# KiCad board shek-rounded.kicad_pcb (continued)
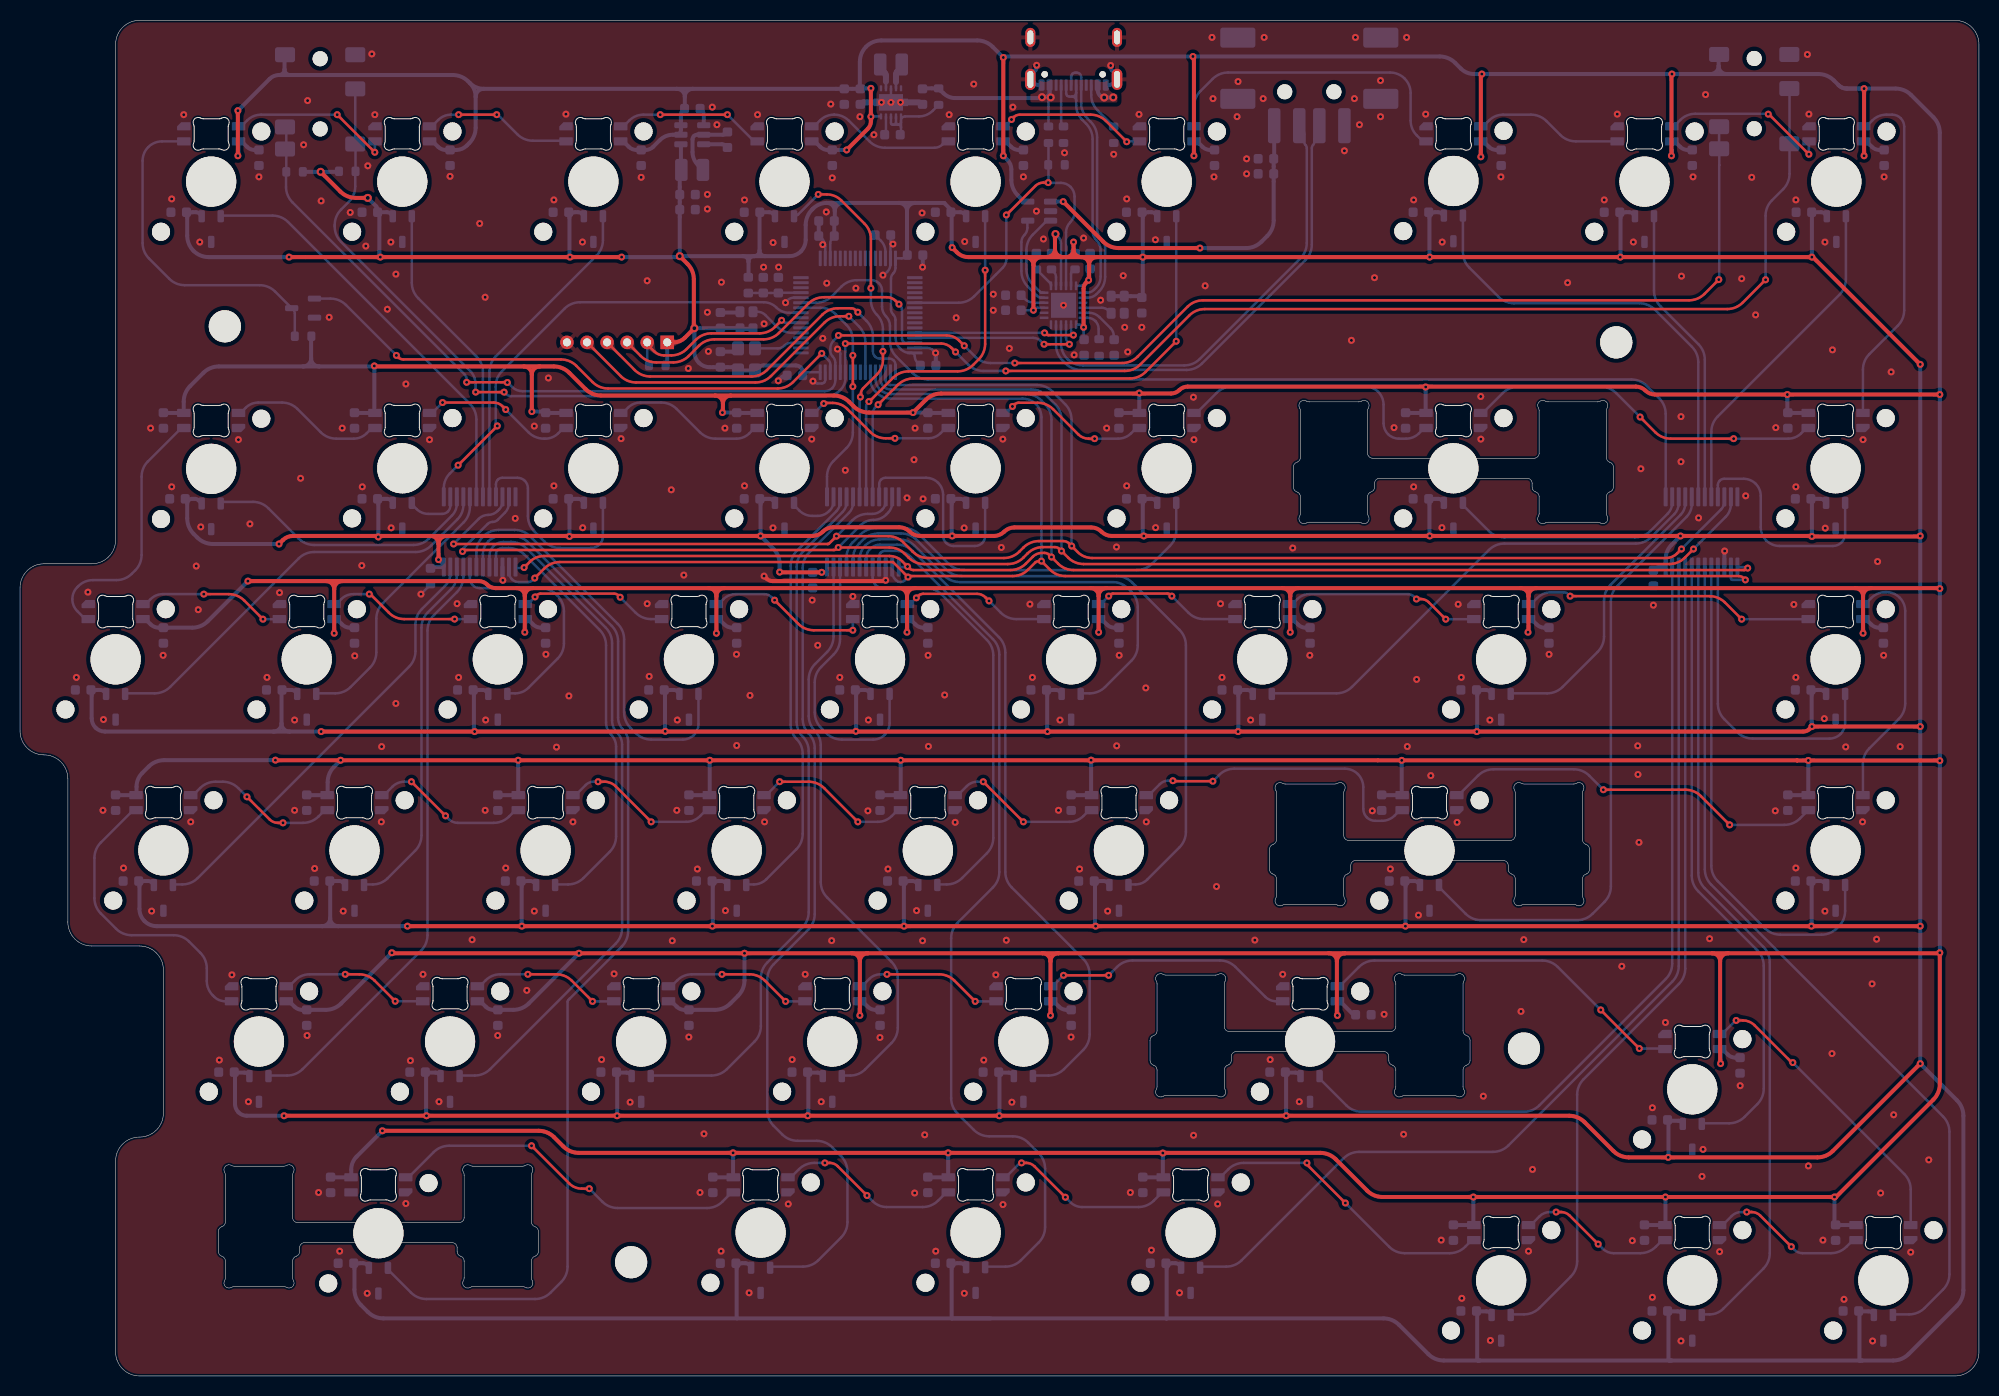
[diagram p0: board, top side]
## Routing (per net, layer and track width the routed paths; a pad name or vN(x,y) marks a point on that pad's centre or on a via; arc(x,y) is an arc through that point) (continued)
MUX2_A13: length 106.5
  Bottom w0.25: U8.18 46.14,81.9 arc(46.28,82.6) 46.67,83.2 arc(47.27,83.6) 47.97,83.74 49.11,83.74 arc(49.94,83.57) 50.65,83.1 58.97,74.78 arc(59.45,74.07) 59.61,73.24 59.61,65.64 arc(59.74,64.99) 60.11,64.44 arc(60.48,63.88) 60.61,63.23 60.61,44.34 arc(60.45,43.51) 59.97,42.8 54.78,37.61 54.64,37.47 arc(54.59,37.39) 54.58,37.3 54.58,10.9 arc(54.41,10.07) 53.94,9.36 52.88,8.31 arc(52.17,7.83) 51.34,7.67 40.51,7.67 arc(39.67,7.83) 38.97,8.31 36.77,10.5 arc(36.7,10.62) 36.67,10.75 36.67,10.9
MUX2_A14: length 70
  Bottom w0.25: 43.81,29.95 45.32,29.95 arc(46.15,30.11) 46.86,30.59 59.37,43.1 arc(59.85,43.81) 60.01,44.64 60.01,62.93 arc(59.88,63.58) 59.51,64.14 arc(59.14,64.69) 59.01,65.34 59.01,73.06 arc(58.85,73.89) 58.37,74.6 50.48,82.5 arc(49.77,82.97) 48.94,83.14 48.2,83.14 arc(47.66,83.03) 47.2,82.73 arc(46.89,82.27) 46.79,81.73 U8.17
MUX2_A15: length 44.7
  Bottom w0.25: 53.34,49 54.62,49 arc(55.45,49.16) 56.16,49.64 58.77,52.25 arc(59.25,52.96) 59.41,53.79 59.41,62.73 arc(59.28,63.38) 58.91,63.94 arc(58.54,64.49) 58.41,65.14 58.41,72.84 arc(58.25,73.67) 57.77,74.38 50.25,81.9 arc(49.54,82.37) 48.71,82.54 48.08,82.54 arc(47.83,82.49) 47.62,82.35 arc(47.49,82.14) 47.44,81.9 U8.16
MUX2_COM: length 47.7
  Top w0.25: v1(47.57,94.71) 47.57,94.7 arc(47.57,94.7) 47.57,94.69 v1(43.66,90.79)
  Bottom w0.25: U8.1 42.24,88.5 arc(42.4,89.3) 42.85,89.97 v1(43.66,90.79) ; v1(47.57,94.71) 47.49,94.79 arc(47.43,94.88) 47.41,94.98 47.41,98.64 arc(47.58,99.47) 48.05,100.18 54.27,106.4 arc(54.98,106.87) 55.81,107.04 74.12,107.04 arc(74.81,106.9) 75.39,106.51 arc(75.97,106.12) 76.65,105.99 U5.9
MUX_S0: length 179.9
  Top w0.25: v1(43.21,82.94) 80.56,82.94 arc(80.6,82.94) 80.63,82.97 v1(81.38,83.72) 86.53,83.72 arc(87.36,83.55) 88.07,83.08 88.97,82.18 arc(89.68,81.7) 90.51,81.54 98.07,81.54 arc(98.9,81.7) 99.61,82.18 100.02,82.59 arc(100.73,83.06) 101.56,83.23 103.98,83.23 arc(104.31,83.16) 104.58,82.98 v1(104.83,82.73) 105.42,82.14 arc(106.09,81.69) 106.87,81.54 164.08,81.54 arc(164.66,81.65) 165.16,81.99 v1(165.61,82.44)
  Bottom w0.25: U8.10 48.09,87.18 arc(48,86.75) 47.76,86.39 47.6,86.23 arc(47.17,85.94) 46.66,85.84 arc(46.15,85.74) 45.72,85.45 v1(43.21,82.94) ; v1(165.61,82.44) 169.56,86.39 arc(169.8,86.75) 169.89,87.18 U6.10 ; U7.10 86.29,87.18 arc(86.2,86.75) 85.96,86.39 85.9,86.33 arc(85.47,86.04) 84.96,85.94 84.5,85.94 arc(83.67,85.77) 82.96,85.3 81.47,83.8 arc(81.44,83.76) 81.43,83.72 81.43,83.7 arc(81.42,83.69) 81.41,83.69 v1(81.38,83.72) ; v1(104.83,82.73) 104.82,82.74 arc(104.81,82.75) 104.81,82.76 104.81,95.34 arc(104.65,96.17) 104.17,96.88 102.9,98.15 arc(102.19,98.62) 101.36,98.79 86.77,98.79 arc(86.58,98.83) 86.41,98.94 arc(86.3,99.1) 86.26,99.3 U5.51
MUX_S1: length 181.2
  Top w0.25: v1(44.1,82.19) 44.18,82.26 arc(44.26,82.32) 44.36,82.34 81.14,82.34 arc(81.3,82.37) 81.44,82.46 v1(81.56,82.59) 86.66,82.59 arc(87.49,82.42) 88.2,81.95 88.57,81.58 arc(89.28,81.1) 90.11,80.94 98.47,80.94 arc(99.3,81.1) 100.01,81.58 100.42,81.99 arc(101.13,82.46) 101.96,82.63 103.15,82.63 arc(103.4,82.58) 103.62,82.43 v1(103.81,82.24) 104.47,81.58 arc(105.18,81.1) 106.01,80.94 164.41,80.94 arc(165.24,81.1) 165.95,81.58 v1(166.81,82.44)
  Bottom w0.25: v1(81.56,82.59) 83.78,84.81 arc(84.37,85.2) 85.06,85.34 arc(85.76,85.48) 86.34,85.87 86.52,86.05 arc(86.83,86.51) 86.94,87.05 U7.11 ; U5.52 85.76,99.36 arc(85.84,98.97) 86.06,98.64 arc(86.39,98.42) 86.79,98.34 100.81,98.34 arc(101.64,98.17) 102.35,97.7 103.17,96.88 arc(103.65,96.17) 103.81,95.34 v1(103.81,82.24) ; v1(166.81,82.44) 170.02,85.64 arc(170.4,86.22) 170.54,86.9 U6.11 ; U8.11 48.74,87.05 arc(48.63,86.51) 48.32,86.05 47.62,85.35 arc(47.39,85.19) 47.11,85.14 arc(46.84,85.08) 46.6,84.93 44.19,82.51 arc(44.12,82.42) 44.1,82.31 v1(44.1,82.19)
MUX_S2: length 166.6
  Top w0.25: v1(51.3,79.54) 52.26,80.5 arc(52.97,80.97) 53.8,81.14 87.01,81.14 v1(88.51,79.64) 88.56,79.69 arc(88.62,79.72) 88.68,79.74 98.94,79.74 arc(99.77,79.9) 100.48,80.38 101.21,81.11 arc(101.33,81.19) 101.48,81.22 101.63,81.22 arc(101.63,81.22) 101.64,81.22 arc(101.64,81.23) 101.65,81.23 v1(101.81,81.23) 102.66,80.38 arc(103.37,79.9) 104.2,79.74 171.33,79.74 arc(171.58,79.69) 171.79,79.55 v1(171.98,79.36)
  Bottom w0.25: U7.14 86.94,80.12 arc(87.01,79.74) 87.23,79.43 87.34,79.31 arc(87.53,79.18) 87.76,79.14 arc(87.99,79.18) 88.19,79.31 v1(88.51,79.64) ; v1(51.3,79.54) 51.1,79.34 arc(50.88,79.19) 50.62,79.14 49.72,79.14 arc(49.34,79.21) 49.02,79.43 arc(48.81,79.74) 48.74,80.12 U8.14 ; U6.14 170.54,79.54 arc(170.55,79.47) 170.59,79.41 arc(170.65,79.37) 170.72,79.36 v1(171.98,79.36) ; U5.54 84.76,99.35 arc(84.89,98.69) 85.27,98.13 85.37,98.03 arc(86.04,97.58) 86.83,97.43 99.95,97.43 arc(100.66,97.29) 101.27,96.88 arc(101.67,96.28) 101.81,95.57 v1(101.81,81.23)
MUX_S3: length 161.5
  Top w0.25: v1(172.21,80.54) 172.11,80.44 arc(172,80.36) 171.87,80.34 105.01,80.34 arc(104.18,80.5) 103.47,80.98 v1(102.81,81.64) 102.61,81.84 arc(102.38,81.99) 102.11,82.05 101.87,82.05 arc(101.37,81.95) 100.95,81.67 100.26,80.98 arc(99.55,80.5) 98.72,80.34 89.06,80.34 arc(88.83,80.38) 88.64,80.51 v1(88.46,80.69) 87.94,81.21 arc(87.36,81.6) 86.67,81.74 52.21,81.74 arc(51.45,81.59) 50.82,81.16 v1(50.24,80.59)
  Bottom w0.25: v1(102.81,81.64) 102.81,95.34 arc(102.65,96.17) 102.17,96.88 101.8,97.25 arc(101.09,97.72) 100.26,97.89 86.8,97.89 arc(86.21,98) 85.71,98.34 arc(85.38,98.84) 85.26,99.42 U5.53 ; U6.13 172.04,80.64 arc(172.11,80.62) 172.16,80.59 v1(172.21,80.54) ; U7.13 88.38,80.64 arc(88.41,80.64) 88.44,80.66 v1(88.46,80.69) ; 49.39,81.09 49.39,80.7 arc(49.4,80.64) 49.43,80.59 arc(49.48,80.56) 49.54,80.55 50,80.55 arc(50.03,80.55) 50.05,80.57 arc(50.07,80.58) 50.1,80.59 v1(50.24,80.59)
NRST: length 19.2
  Top w0.25: 62.81,102.74 62.81,102.64 arc(62.83,102.55) 62.88,102.47 63.21,102.14 arc(63.66,101.84) 64.18,101.74 64.91,101.74 arc(65.74,101.9) 66.45,102.38 67.37,103.3 arc(68.08,103.77) 68.91,103.94 73.71,103.94 arc(74.54,104.1) 75.25,104.58 v1(75.91,105.24)
  Bottom w0.25: 62.89,100.74 62.7,100.93 arc(62.56,101.13) 62.51,101.38 J4.2 ; v1(75.91,105.24) 76.04,105.11 arc(76.18,105.02) 76.34,104.99 U5.7
OCS2: length 9.1
  Bottom w0.25: U1.12 101.92,107.99 arc(101.77,108.02) 101.65,108.1 100.95,108.8 arc(100.48,109.51) 100.31,110.34 100.31,112.24 arc(100.48,113.07) 100.95,113.78 102.21,115.03 arc(102.36,115.13) 102.53,115.17 U2.3
OSC32: length 4.7
  Bottom w0.25: U5.3 76.85,102.99 arc(76.49,102.92) 76.19,102.71 arc(75.88,102.51) 75.52,102.44 Y3.3
PH0: length 5.5
  Bottom w0.25: Y2.3 73.51,106.09 arc(73.93,106) 74.28,105.77 75.43,104.62 arc(76.13,104.15) 76.95,103.99 U5.5
SCL: length 183.2
  Top w0.25: v1(94.12,102.7) 93.61,103.21 arc(93.04,103.59) 92.36,103.73 v1(81.57,103.73) ; v1(99.15,100.98) 109.86,100.98 arc(110.69,101.14) 111.4,101.62 116.37,106.59 arc(117.08,107.06) 117.91,107.23 166.36,107.23 arc(167.19,107.39) 167.9,107.87 v1(169.33,109.3) ; v1(48.57,99.04) 48.56,99.05 arc(48.55,99.05) 48.54,99.06 44.65,99.06 arc(44.6,99.05) 44.55,99.02 44.54,99.01 arc(44.52,99) 44.51,99.02 v1(44.51,99.06)
  Bottom w0.25: v1(94.12,102.7) 95.2,101.62 arc(95.91,101.14) 96.74,100.98 v1(99.15,100.98) ; v1(48.57,99.04) 48.59,99.04 arc(48.6,99.03) 48.61,99.03 49.04,98.6 arc(49.52,98.28) 50.09,98.17 80.2,98.17 arc(80.61,98.25) 80.95,98.48 arc(81.18,98.82) 81.26,99.23 81.26,101.01 arc(81.2,101.34) 81.01,101.62 arc(80.83,101.89) 80.76,102.22 80.76,102.38 arc(80.86,102.85) 81.12,103.25 81.56,103.69 arc(81.57,103.7) 81.57,103.71 v1(81.57,103.73) ; v1(44.51,99.06) 44.51,99.35 arc(44.46,99.62) 44.31,99.84 27.15,117 arc(26.68,117.71) 26.51,118.54 26.51,119.99 arc(26.52,120.01) 26.52,120.03 arc(26.53,120.04) 26.54,120.06 26.54,122.1 arc(26.52,122.18) 26.47,122.25 arc(26.45,122.31) 26.47,122.38 arc(26.52,122.44) 26.54,122.53 26.54,124.3 arc(26.52,124.38) 26.47,124.45 J3.4 ; J5.5 J5.4 ; 169.38,122.91 169.38,120.71 arc(169.38,120.71) 169.38,120.7 arc(169.37,120.7) 169.37,120.69 169.37,109.37 arc(169.37,109.34) 169.35,109.32 v1(169.33,109.3)
SDA: length 194
  Top w0.25: v1(173.99,109.28) 171.71,107 arc(171,106.52) 170.17,106.36 118.09,106.36 arc(117.26,106.19) 116.55,105.72 111.66,100.83 arc(110.95,100.35) 110.12,100.19 v1(98.25,100.19) ; v1(93.25,102.08) 92.83,102.5 arc(92.37,102.81) 91.82,102.92 v1(82.26,102.92) ; v1(48.25,98.08) v1(45.41,98.08)
  Bottom w0.25: J3.3 33.41,122.83 arc(33.42,122.81) 33.42,122.8 arc(33.43,122.79) 33.44,122.77 33.44,120.11 arc(33.43,120.09) 33.42,120.08 arc(33.42,120.06) 33.41,120.04 33.41,118.59 arc(33.25,117.76) 32.77,117.05 32,116.28 arc(31.53,115.57) 31.36,114.74 31.36,114.59 arc(31.53,113.76) 32,113.05 44.86,100.19 arc(45.27,99.58) 45.41,98.86 v1(45.41,98.08) ; v1(93.25,102.08) 94.5,100.83 arc(95.21,100.35) 96.04,100.19 v1(98.25,100.19) ; J5.3 176.37,128.33 arc(176.38,128.32) 176.38,128.3 176.38,119.85 arc(176.22,119.02) 175.74,118.31 174.63,117.2 arc(174.16,116.49) 173.99,115.66 v1(173.99,109.28) ; v1(82.26,102.92) U5.59 ; v1(48.25,98.08) 48.45,97.88 arc(48.67,97.73) 48.94,97.68 80.37,97.68 arc(81.09,97.82) 81.71,98.23 81.81,98.34 arc(82.15,98.84) 82.26,99.43 82.26,100.06
SWCLK: length 37.3
  Top w0.25: v1(83.51,106.04) 83.31,106.24 arc(83.09,106.39) 82.83,106.44 81.51,106.44 arc(80.68,106.27) 79.97,105.8 74.45,100.28 arc(73.74,99.8) 72.91,99.64 62.81,99.64 arc(61.98,99.8) 61.27,100.28 J4.4
  Bottom w0.25: v1(83.51,106.04) 84.37,105.18 arc(84.85,104.47) 85.01,103.64 85.01,102.13 arc(85.07,101.86) 85.22,101.63 arc(85.45,101.47) 85.73,101.42 86.63,101.42 arc(86.87,101.37) 87.08,101.24 arc(87.21,101.03) 87.26,100.79 U5.49
SWDIO: length 35.4
  Top w0.25: J4.3 61.87,101.68 arc(62.58,101.2) 63.41,101.04 65.11,101.04 arc(65.94,101.2) 66.65,101.68 67.67,102.7 arc(68.38,103.17) 69.21,103.34 74.11,103.34 arc(74.94,103.5) 75.65,103.98 78.57,106.9 arc(79.28,107.37) 80.11,107.54 86.42,107.54 arc(86.87,107.45) 87.26,107.19 v1(87.61,106.84)
  Bottom w0.25: v1(87.61,106.84) 87.76,106.69 arc(87.87,106.52) 87.91,106.33 87.91,103.41 arc(87.94,103.25) 88.04,103.11 arc(88.18,103.02) 88.34,102.99 U5.46
SWO: length 36.4
  Top w0.25: J4.5 59.87,99.68 arc(60.58,99.2) 61.41,99.04 73.31,99.04 arc(74.14,99.2) 74.85,99.68 80.18,105 arc(80.88,105.47) 81.71,105.64 v1(82.61,105.64)
  Bottom w0.25: v1(82.61,105.64) 83.62,104.63 arc(84.1,103.92) 84.26,103.09 U5.55
UP_D+: length 26.3
  Bottom w0.25: J1.A6 104.78,129.52 arc(104.81,129.68) 104.89,129.81 arc(105.03,129.89) 105.18,129.93 105.33,129.93 arc(105.5,129.89) 105.64,129.79 arc(105.74,129.65) 105.78,129.48 105.78,128.73 arc(105.78,128.71) 105.79,128.7 105.8,128.69 ; U1.20 106.44,107.49 arc(106.9,107.58) 107.29,107.84 107.55,108.1 arc(108,108.78) 108.16,109.58 108.16,112.42 arc(108.06,112.94) 107.76,113.39 arc(107.47,113.83) 107.36,114.35 107.36,123.49 arc(107.2,124.32) 106.72,125.03 106.41,125.34 arc(105.94,126.04) 105.78,126.88 105.78,128.6
UP_D-: length 25.4
  Bottom w0.25: J1.B7 104.28,127.86 arc(104.3,127.73) 104.37,127.63 arc(104.47,127.56) 104.59,127.54 104.87,127.54 ; 104.87,127.54 arc(105.16,127.42) 105.28,127.13 ; 104.87,127.54 arc(105.16,127.66) 105.28,127.94 ; U1.19 106.36,107.99 arc(106.73,108.06) 107.05,108.27 107.24,108.46 arc(107.59,108.99) 107.71,109.61 107.71,112.22 arc(107.61,112.74) 107.31,113.19 arc(107.02,113.63) 106.91,114.15 106.91,123.29 arc(106.75,124.12) 106.27,124.83 105.88,125.22 arc(105.43,125.89) 105.28,126.68 105.28,127.13 ; 105.28,127.94 105.28,127.13 ; 105.28,127.94 J1.A7
XTALIN: length 3
  Bottom w0.25: Y1.3 108.49,106.21 arc(108.18,106.42) 107.82,106.49 U1.22
Net-(J1-CC1_A): length 4.5
  Bottom w0.25: J1.A5 103.78,124.97 arc(103.81,124.81) 103.89,124.68 R3.1 ; 104.26,124.81 104.24,124.79 arc(104.21,124.77) 104.18,124.76 104.01,124.76
Net-(J1-CC1_B): length 5
  Bottom w0.25: R4.1 107.41,126.16 arc(106.94,126.87) 106.78,127.7 J1.B5
Net-(LED1-DOUT): length 16.6
  Top w0.25: v1(35.36,121.99) v1(31.61,125.74)
  Bottom w0.25: v1(35.36,121.99) 35.37,121.99 arc(35.37,122) 35.38,122.01 LED2.3 ; v1(31.61,125.74) 24.03,125.74 arc(23.28,125.59) 22.63,125.16 22.15,124.67 arc(22.04,124.6) 21.91,124.58 LED1.2
Net-(LED2-DOUT): length 15
  Top w0.25: v1(43.71,125.74) v1(47.51,125.74)
  Bottom w0.25: LED3.3 54.39,123.11 arc(54.36,123.13) 54.32,123.14 51.11,123.14 arc(50.28,123.3) 49.57,123.78 47.65,125.7 arc(47.61,125.73) 47.56,125.74 v1(47.51,125.74) ; LED2.2 40.94,124.58 arc(41.04,124.6) 41.13,124.65 41.68,125.21 arc(42.27,125.6) 42.96,125.74 v1(43.71,125.74)
Net-(LED3-DOUT): length 15.1
  Top w0.25: v1(63.81,125.74) v1(70.51,125.74)
  Bottom w0.25: v1(70.51,125.74) 73.07,123.18 arc(73.19,123.1) 73.33,123.08 LED4.3 ; LED3.2 60.01,124.58 arc(60.14,124.6) 60.25,124.67 60.73,125.16 arc(61.38,125.59) 62.13,125.74 v1(63.81,125.74)
Net-(LED4-DOUT): length 15.4
  Bottom w0.25: LED5.3 92.39,123.08 arc(92.26,123.05) 92.15,122.98 91.93,122.76 arc(91.58,122.52) 91.16,122.44 86.21,122.44 arc(85.38,122.6) 84.67,123.08 82.61,125.14 arc(81.95,125.58) 81.16,125.74 81.13,125.74 arc(80.38,125.59) 79.73,125.16 79.23,124.65 arc(79.14,124.6) 79.04,124.58 LED4.2
Net-(LED5-DOUT): length 15.1
  Top w0.25: v1(98.83,125.25) 99.07,125.5 arc(99.34,125.67) 99.66,125.74 106.71,125.74 arc(107.54,125.57) 108.25,125.1 v1(110.31,123.04)
  Bottom w0.25: LED5.2 98.06,124.58 arc(98.14,124.59) 98.21,124.64 v1(98.83,125.25) ; LED6.3 110.38,123.08 arc(110.35,123.07) 110.33,123.06 v1(110.31,123.04)
Net-(LED6-DOUT): length 32
  Bottom w0.25: LED7.3 139.99,123.08 arc(139.84,123.1) 139.71,123.19 139.22,123.68 arc(138.77,124.35) 138.61,125.14 138.61,127.89 arc(138.46,128.67) 138.01,129.34 arc(137.35,129.78) 136.56,129.94 120.41,129.94 arc(119.58,129.77) 118.87,129.3 117.66,128.09 arc(117.19,127.38) 117.02,126.55 LED6.2
Net-(LED7-DOUT): length 14.9
  Bottom w0.25: LED8.3 155.08,123.08 arc(154.24,123.24) 153.54,123.71 152.15,125.1 arc(151.44,125.57) 150.61,125.74 147.83,125.74 arc(147.08,125.59) 146.43,125.16 145.94,124.66 arc(145.84,124.6) 145.73,124.58 LED7.2
Net-(LED8-DOUT): length 17
  Top w0.25: v1(174.26,125.79) 174.29,125.79 arc(174.31,125.78) 174.33,125.77 v1(178.31,121.79)
  Bottom w0.25: LED8.2 164.75,124.58 arc(164.85,124.59) 164.93,124.65 165.49,125.2 arc(166.18,125.66) 167,125.83 174.19,125.83 arc(174.22,125.82) 174.24,125.81 v1(174.26,125.79) ; LED9.3 178.32,123.07 arc(178.31,123.06) 178.31,123.05 v1(178.31,121.79)
Net-(LED10-DIN): length 35.2
  Bottom w0.25: LED10.3 183.7,100.32 arc(183.87,101.16) 184.34,101.86 187.17,104.7 arc(187.65,105.41) 187.81,106.24 187.81,124.54 arc(187.72,125) 187.46,125.39 arc(187.07,125.65) 186.62,125.74 186.03,125.74 arc(185.28,125.59) 184.63,125.16 184.15,124.67 arc(184.04,124.6) 183.91,124.58 LED9.2
Net-(LED10-DOUT): length 35.9
  Top w0.25: v1(170.81,93.44) 164.54,93.44 arc(163.71,93.6) 163,94.08 v1(161.48,95.6)
  Bottom w0.25: v1(170.81,93.44) 176.26,93.44 arc(176.96,93.58) 177.54,93.97 178.01,94.44 arc(178.08,94.48) 178.16,94.5 LED10.2 ; v1(161.48,95.6) 159.11,97.97 arc(158.4,98.44) 157.57,98.61 149.32,98.61 arc(148.49,98.44) 147.78,97.97 145.89,96.08 arc(145.81,96.02) 145.71,96 LED11.3
Net-(LED11-DOUT): length 28.2
  Bottom w0.25: LED12.3 117.15,96 arc(117.27,96.02) 117.36,96.09 119.27,98 arc(119.98,98.47) 120.81,98.64 134.1,98.64 arc(134.8,98.5) 135.38,98.11 arc(135.77,97.52) 135.91,96.83 135.91,94.97 arc(136.03,94.39) 136.36,93.89 arc(136.86,93.55) 137.45,93.44 138.16,93.44 arc(138.86,93.58) 139.44,93.97 139.91,94.44 arc(139.98,94.48) 140.06,94.5 LED11.2
Net-(LED12-DOUT): length 15.8
  Top w0.25: v1(107.11,93.44) 106.51,93.44 arc(105.96,93.55) 105.49,93.86 102.97,96.38 arc(102.26,96.85) 101.43,97.02 99.55,97.02 arc(99.31,96.97) 99.11,96.83 v1(98.92,96.65)
  Bottom w0.25: v1(98.92,96.65) 98.27,96 arc(98.21,95.95) 98.12,95.94 98.08,95.94 arc(98.04,95.95) 98.01,95.97 98.14,95.84 ; LED12.2 111.42,94.5 arc(111.29,94.47) 111.17,94.39 110.74,93.97 arc(110.16,93.58) 109.46,93.44 v1(107.11,93.44)
Net-(LED13-DOUT): length 15.6
  Top w0.25: v1(87.21,93.47) 86.28,93.47 arc(85.45,93.64) 84.74,94.11 82.45,96.4 arc(81.79,96.84) 81.01,97 80.21,97 arc(80.18,96.99) 80.14,96.97 v1(80.11,96.94)
  Bottom w0.25: LED13.2 92.4,94.5 arc(92.28,94.48) 92.19,94.41 91.76,93.99 arc(91.19,93.61) 90.52,93.47 v1(87.21,93.47) ; LED14.3 79.05,96 arc(79.17,96.02) 79.26,96.09 v1(80.11,96.94)
Net-(LED14-DOUT): length 15.6
  Bottom w0.25: LED14.2 73.35,94.5 arc(73.23,94.48) 73.14,94.41 72.69,93.97 arc(72.11,93.58) 71.41,93.44 69.31,93.44 arc(68.48,93.6) 67.77,94.08 65.45,96.4 arc(64.74,96.87) 63.91,97.04 61.85,97.04 arc(61.17,96.9) 60.59,96.52 60.15,96.07 arc(60.07,96.02) 59.97,96 LED15.3
Net-(LED15-DOUT): length 15.7
  Top w0.25: v1(48.41,96.34) 48.06,96.69 arc(47.67,96.95) 47.22,97.04 v1(42.11,97.04)
  Bottom w0.25: v1(48.41,96.34) 50.68,94.07 arc(51.38,93.6) 52.21,93.44 52.36,93.44 arc(53.06,93.58) 53.64,93.97 54.09,94.41 arc(54.18,94.48) 54.3,94.5 LED15.2 ; LED16.3 40.95,96 arc(41.07,96.02) 41.16,96.09 v1(42.11,97.04)
Net-(LED16-DOUT): length 15.6
  Bottom w0.25: LED16.2 35.22,94.5 arc(35.09,94.47) 34.97,94.39 34.54,93.97 arc(33.96,93.58) 33.26,93.44 31.51,93.44 arc(30.68,93.6) 29.97,94.08 27.65,96.4 arc(26.94,96.87) 26.11,97.04 23.75,97.04 arc(23.07,96.9) 22.49,96.52 22.05,96.07 arc(21.97,96.02) 21.88,96 LED17.3
Net-(LED17-DOUT): length 26.5
  Bottom w0.25: LED17.2 16.2,94.5 arc(16.08,94.48) 15.99,94.41 12.75,91.18 arc(12.28,90.47) 12.11,89.64 12.11,81.84 arc(11.95,81.01) 11.47,80.3 11.15,79.98 arc(10.44,79.5) 9.61,79.34 7.26,79.34 arc(6.48,79.18) 5.81,78.74 5.71,78.63 arc(5.34,78.08) 5.21,77.44 arc(5.34,76.79) 5.71,76.24 6.39,75.56 arc(6.51,75.48) 6.65,75.45 LED18.3
Net-(LED18-DOUT): length 14.9
  Top w0.25: v1(24.21,75.44) 22.35,77.3 arc(21.64,77.77) 20.81,77.94 v1(18.31,77.94)
  Bottom w0.25: LED19.3 25.84,75.44 arc(25.84,75.44) 25.83,75.44 v1(24.21,75.44) ; v1(18.31,77.94) 14.21,77.94 arc(13.57,77.81) 13.02,77.44 12.62,77.05 arc(12.51,76.98) 12.39,76.95 LED18.2
Net-(LED19-DOUT): length 14.9
  Top w0.25: v1(34.81,77.94) 34.86,77.94 arc(34.91,77.93) 34.95,77.9 36.76,76.09 arc(37.47,75.62) 38.3,75.45 v1(43.31,75.45)
  Bottom w0.25: v1(34.81,77.94) 33.21,77.94 arc(32.57,77.81) 32.02,77.44 31.6,77.03 arc(31.52,76.97) 31.41,76.95 LED19.2 ; v1(43.31,75.45) LED20.3
Net-(LED20-DOUT): length 14.9
  Top w0.25: v1(59.82,77.63) 59.64,77.81 arc(59.44,77.94) 59.21,77.99 51.9,77.99 arc(51.68,77.94) 51.5,77.82 v1(51.33,77.66)
  Bottom w0.25: LED21.3 62.9,75.45 arc(62.07,75.62) 61.36,76.09 v1(59.82,77.63) ; LED20.2 50.49,76.95 arc(50.61,76.98) 50.72,77.05 v1(51.33,77.66)
Net-(LED21-DOUT): length 16.4
  Top w0.25: v1(75.21,77.34) 77.57,74.98 arc(78.28,74.5) 79.11,74.34 v1(83.01,74.34)
  Bottom w0.25: v1(83.01,74.34) 83.01,75.43 arc(83.01,75.44) 83.01,75.44 LED22.3 ; v1(75.21,77.34) 74.91,77.64 arc(74.58,77.86) 74.19,77.94 71.31,77.94 arc(70.67,77.81) 70.12,77.44 69.7,77.03 arc(69.62,76.97) 69.51,76.95 LED21.2
Net-(LED22-DOUT): length 14.9
  Top w0.25: v1(96.59,77.26) 96.23,77.62 arc(95.84,77.88) 95.38,77.97 90.03,77.97 arc(89.76,77.92) 89.54,77.77 v1(89.34,77.57)
  Bottom w0.25: v1(96.59,77.26) 97.76,76.09 arc(98.47,75.62) 99.3,75.45 LED23.3 ; LED22.2 88.59,76.95 arc(88.71,76.98) 88.82,77.05 v1(89.34,77.57)
Net-(LED23-DOUT): length 14.9
  Top w0.25: v1(108.51,77.74) 108.64,77.87 arc(108.79,77.96) 108.96,78 114.37,78 arc(114.54,77.96) 114.68,77.87 v1(114.81,77.74)
  Bottom w0.25: LED23.2 107.61,76.95 arc(107.72,76.97) 107.8,77.03 v1(108.51,77.74) ; LED24.3 118,75.45 arc(117.17,75.62) 116.46,76.09 v1(114.81,77.74)
Net-(LED24-DOUT): length 19.6
  Top w0.25: v1(142.11,75.44) 140.42,77.13 arc(140.07,77.36) 139.65,77.45 v1(139.19,77.45)
  Bottom w0.25: v1(142.11,75.44) 144.89,75.44 arc(144.9,75.44) 144.91,75.44 LED25.3 ; LED24.2 126.69,76.95 arc(126.81,76.98) 126.92,77.05 127.32,77.44 arc(127.87,77.81) 128.51,77.94 138.36,77.94 arc(138.68,77.87) 138.95,77.69 v1(139.19,77.45)
Net-(LED25-DOUT): length 29.3
  Top w0.25: v1(154.51,77.74) 168.41,77.74 arc(169.24,77.57) 169.95,77.1 v1(171.61,75.44)
  Bottom w0.25: v1(154.51,77.74) 154.32,77.93 arc(154.11,78.07) 153.86,78.12 152.62,78.12 arc(151.86,77.97) 151.21,77.53 150.72,77.04 arc(150.62,76.97) 150.49,76.95 LED25.2 ; LED26.3 178.24,75.44 arc(178.24,75.44) 178.23,75.44 v1(171.61,75.44)
Net-(LED26-DOUT): length 25.6
  Bottom w0.25: LED27.3 183.7,61.02 arc(183.87,61.86) 184.34,62.56 187.27,65.5 arc(187.75,66.21) 187.91,67.04 187.91,76.26 arc(187.77,76.98) 187.36,77.59 arc(186.75,77.99) 186.03,78.14 185.95,78.14 arc(185.18,77.98) 184.52,77.54 184,77.03 arc(183.92,76.97) 183.81,76.95 LED26.2
Net-(LED27-DOUT): length 38.6
  Top w0.25: v1(157.82,58.44) 166.01,58.44 arc(166.84,58.27) 167.55,57.8 v1(170.41,54.94)
  Bottom w0.25: v1(157.82,58.44) 156.42,59.84 arc(155.72,60.31) 154.88,60.48 146.87,60.48 arc(146.03,60.31) 145.33,59.84 143.45,57.96 arc(143.38,57.92) 143.3,57.9 LED28.3 ; v1(170.41,54.94) 175.89,54.94 arc(176.72,55.1) 177.43,55.58 LED27.2
Net-(LED28-DOUT): length 30.7
  Top w0.25: v1(118.9,59.29) 115,59.29 arc(114.97,59.29) 114.94,59.31 v1(114.91,59.34)
  Bottom w0.25: v1(118.9,59.29) 119.53,59.91 arc(120.22,60.38) 121.04,60.54 132.05,60.54 arc(132.76,60.4) 133.35,60 arc(133.75,59.4) 133.89,58.69 133.89,56.53 arc(133.98,56.08) 134.24,55.69 arc(134.63,55.43) 135.09,55.34 135.74,55.34 arc(136.44,55.48) 137.02,55.87 137.48,56.32 arc(137.56,56.38) 137.66,56.4 LED28.2 ; v1(114.91,59.34) 114.43,59.34 arc(113.99,59.25) 113.62,59 112.61,57.99 arc(112.51,57.92) 112.39,57.9 LED29.3
Net-(LED29-DOUT): length 16.1
  Top w0.25: v1(100.01,55.24) v1(96.01,59.24)
  Bottom w0.25: LED29.2 106.69,56.4 arc(106.58,56.38) 106.49,56.32 105.99,55.82 arc(105.35,55.39) 104.59,55.24 v1(100.01,55.24) ; v1(96.01,59.24) 95.41,59.24 arc(94.86,59.13) 94.39,58.81 93.57,57.99 arc(93.47,57.92) 93.34,57.9 LED30.3
Net-(LED30-DOUT): length 16.1
  Top w0.25: v1(83.51,55.24) 80.15,58.6 arc(79.44,59.07) 78.61,59.24 v1(75.71,59.24)
  Bottom w0.25: LED31.3 74.27,57.9 arc(74.37,57.92) 74.45,57.98 v1(75.71,59.24) ; v1(83.51,55.24) 85.49,55.24 arc(86.25,55.39) 86.89,55.82 87.37,56.3 arc(87.49,56.37) 87.62,56.4 LED30.2
Net-(LED31-DOUT): length 16.1
  Top w0.25: v1(62.91,55.24) 59.37,58.78 arc(58.86,59.12) 58.26,59.24 v1(57.61,59.24)
  Bottom w0.25: v1(62.91,55.24) 66.39,55.24 arc(67.15,55.39) 67.79,55.82 68.26,56.28 arc(68.39,56.37) 68.54,56.4 LED31.2 ; LED32.3 55.24,57.9 arc(55.37,57.92) 55.47,57.99 56.39,58.92 arc(56.75,59.15) 57.16,59.24 v1(57.61,59.24)
Net-(LED32-DOUT): length 16.1
  Top w0.25: v1(39.01,59.24) v1(42.41,55.84)
  Bottom w0.25: LED33.3 36.17,57.9 arc(36.27,57.92) 36.35,57.98 37.12,58.74 arc(37.67,59.11) 38.31,59.24 v1(39.01,59.24) ; v1(42.41,55.84) 42.76,55.49 arc(43.15,55.23) 43.61,55.14 47.22,55.14 arc(48.04,55.3) 48.74,55.77 49.27,56.3 arc(49.39,56.37) 49.52,56.4 49.66,56.4
Net-(LED33-DOUT): length 16
  Top w0.25: v1(26.21,55.14) 25.71,55.14 arc(25.25,55.23) 24.86,55.49 v1(22.61,57.74)
  Bottom w0.25: v1(22.61,57.74) 21.75,58.6 arc(21.04,59.07) 20.21,59.24 19.48,59.24 arc(18.65,59.07) 17.94,58.6 17.33,57.98 arc(17.23,57.92) 17.13,57.9 LED34.3 ; LED33.2 30.49,56.4 arc(30.38,56.38) 30.29,56.32 29.74,55.77 arc(29.04,55.3) 28.22,55.14 v1(26.21,55.14)
Net-(LED34-DOUT): length 30.2
  Bottom w0.25: LED34.2 11.42,56.4 arc(11.29,56.37) 11.17,56.3 8.05,53.18 arc(7.58,52.47) 7.41,51.64 7.41,47.64 arc(7.58,46.81) 8.05,46.1 9.57,44.58 arc(10.28,44.1) 11.11,43.94 15.31,43.94 arc(16.14,43.77) 16.85,43.3 17.97,42.18 arc(18.45,41.47) 18.61,40.64 18.61,39.38 arc(18.77,38.6) 19.21,37.94 19.34,37.81 arc(19.85,37.47) 20.44,37.35 LED35.3
Net-(LED35-DOUT): length 15
  Top w0.25: v1(37.4,37.35) 35.35,39.4 arc(34.64,39.87) 33.81,40.04 v1(32.41,40.04)
  Bottom w0.25: v1(37.4,37.35) LED36.3 ; LED35.2 26.68,38.85 arc(26.81,38.88) 26.93,38.95 27.42,39.44 arc(28.08,39.88) 28.85,40.04 v1(32.41,40.04)
Net-(LED36-DOUT): length 15
  Top w0.25: v1(57.06,37.34) 55,39.4 arc(54.29,39.87) 53.46,40.04 v1(50.61,40.04)
  Bottom w0.25: v1(50.61,40.04) 47.85,40.04 arc(47.08,39.88) 46.42,39.44 45.91,38.93 arc(45.82,38.87) 45.71,38.85 LED36.2 ; v1(57.06,37.34) 59.17,37.34 arc(59.17,37.34) 59.18,37.34 LED37.3
Net-(LED37-DOUT): length 15
  Top w0.25: v1(76.31,37.34) 74.25,39.4 arc(73.54,39.87) 72.71,40.04 v1(69.96,40.04)
  Bottom w0.25: v1(76.31,37.34) 78.22,37.34 arc(78.22,37.34) 78.23,37.34 LED38.3 ; v1(69.96,40.04) 66.95,40.04 arc(66.18,39.88) 65.52,39.44 65.03,38.95 arc(64.91,38.88) 64.78,38.85 LED37.2
Net-(LED38-DOUT): length 15
  Top w0.25: v1(95.21,37.34) 93.15,39.4 arc(92.44,39.87) 91.61,40.04 v1(86.41,40.04)
  Bottom w0.25: LED39.3 97.28,37.34 arc(97.27,37.34) 97.27,37.34 v1(95.21,37.34) ; v1(86.41,40.04) 85.76,40.04 arc(85.16,39.92) 84.65,39.58 84.01,38.93 arc(83.92,38.87) 83.81,38.85 LED38.2
Net-(LED39-DOUT): length 25.6
  Top w0.25: v1(104.01,39.94) v1(108.51,39.94)
  Bottom w0.25: v1(108.51,39.94) 109.35,40.78 arc(110.06,41.25) 110.89,41.42 119.6,41.42 arc(120.43,41.25) 121.14,40.78 124.11,37.81 arc(124.62,37.47) 125.22,37.35 LED40.3 ; v1(104.01,39.94) 102.99,38.92 arc(102.92,38.87) 102.83,38.85 LED39.2
Net-(LED40-DOUT): length 37.2
  Top w0.25: v1(157.56,36.49) v1(161.41,32.64)
  Bottom w0.25: v1(161.41,32.64) 163.88,32.64 arc(163.91,32.63) 163.94,32.61 LED41.3 ; v1(157.56,36.49) 153.28,40.77 arc(152.57,41.24) 151.74,41.41 135,41.41 arc(134.17,41.24) 133.46,40.77 131.63,38.93 arc(131.54,38.87) 131.43,38.85 LED40.2
